# Altium PCB Temp Module B1 Sample.PcbDoc (part 1 of 3)
Units mil, origin at the board's own origin, x right, y up, seen from the top; angles counter-clockwise.
Board outline 5590 x 2795 mil, 4 copper layers (Top Layer, Int1 (GND), Int2 (PWR), Bottom Layer), stack 53.912 mil thick; 273 components, 187 nets, 896 pads, 529 vias.
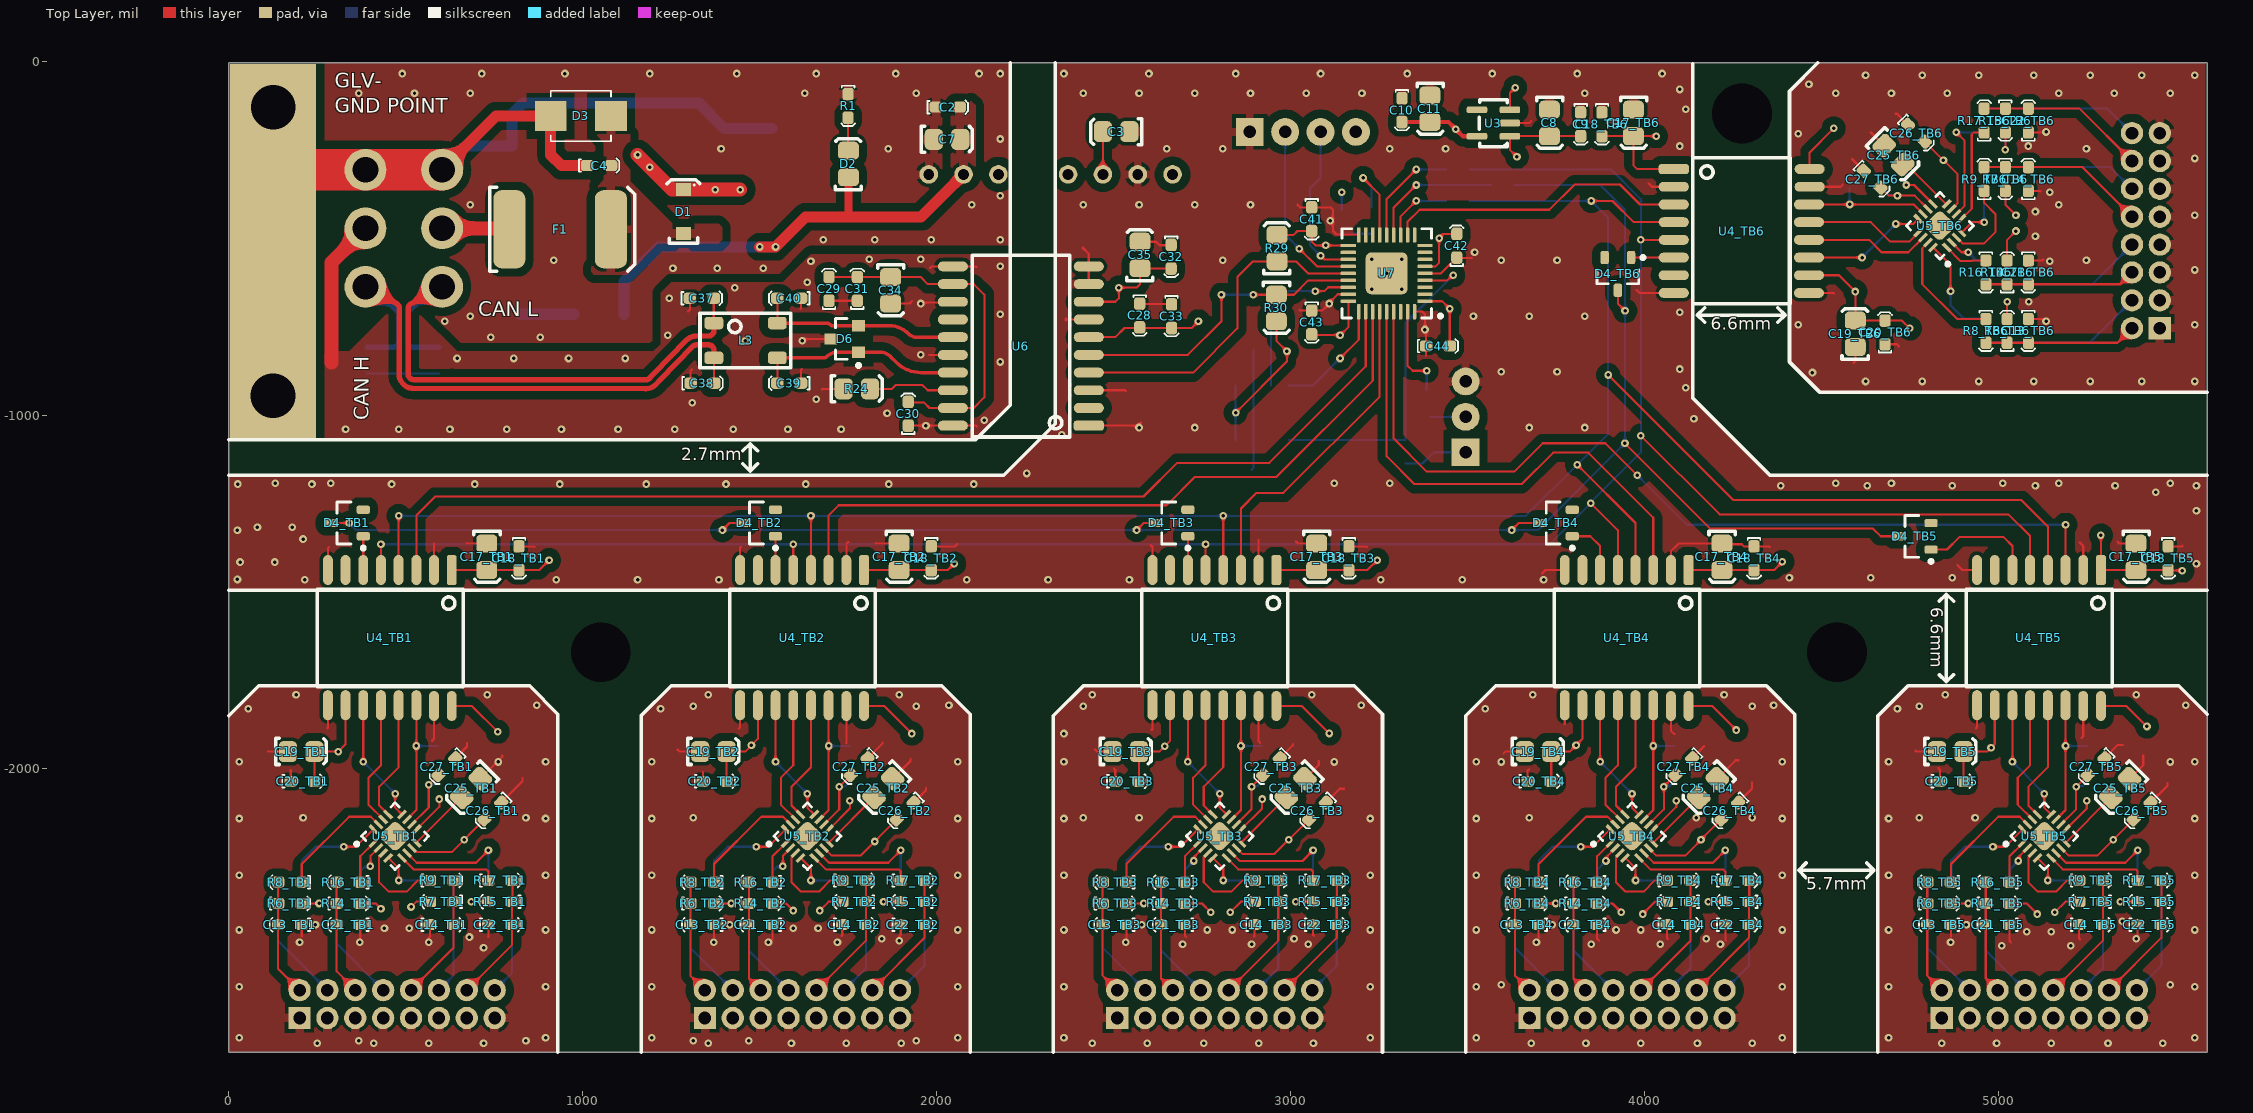
[diagram p0: Top Layer view]
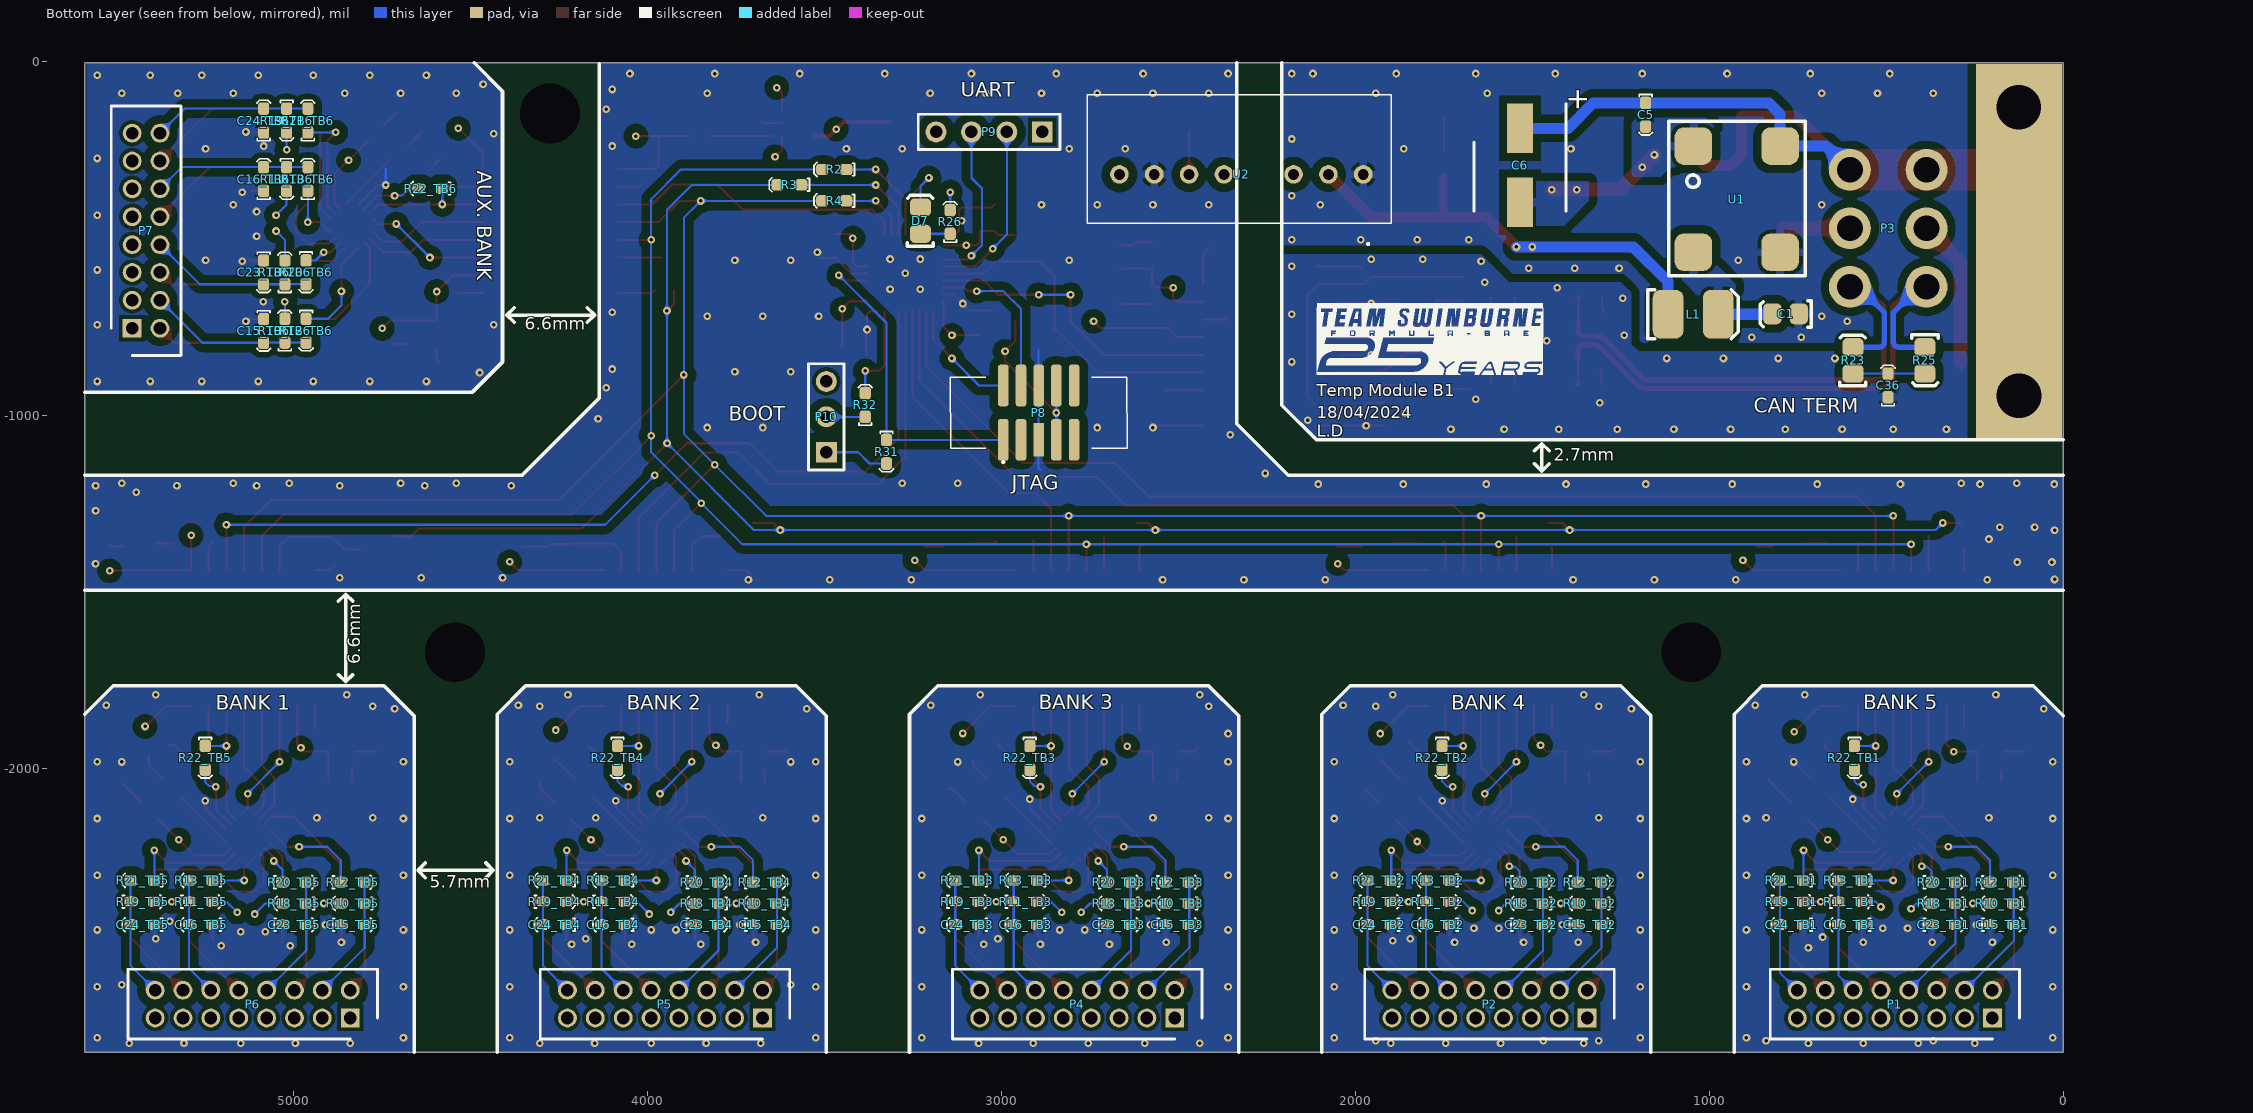
[diagram p1: Bottom Layer view, seen from below]
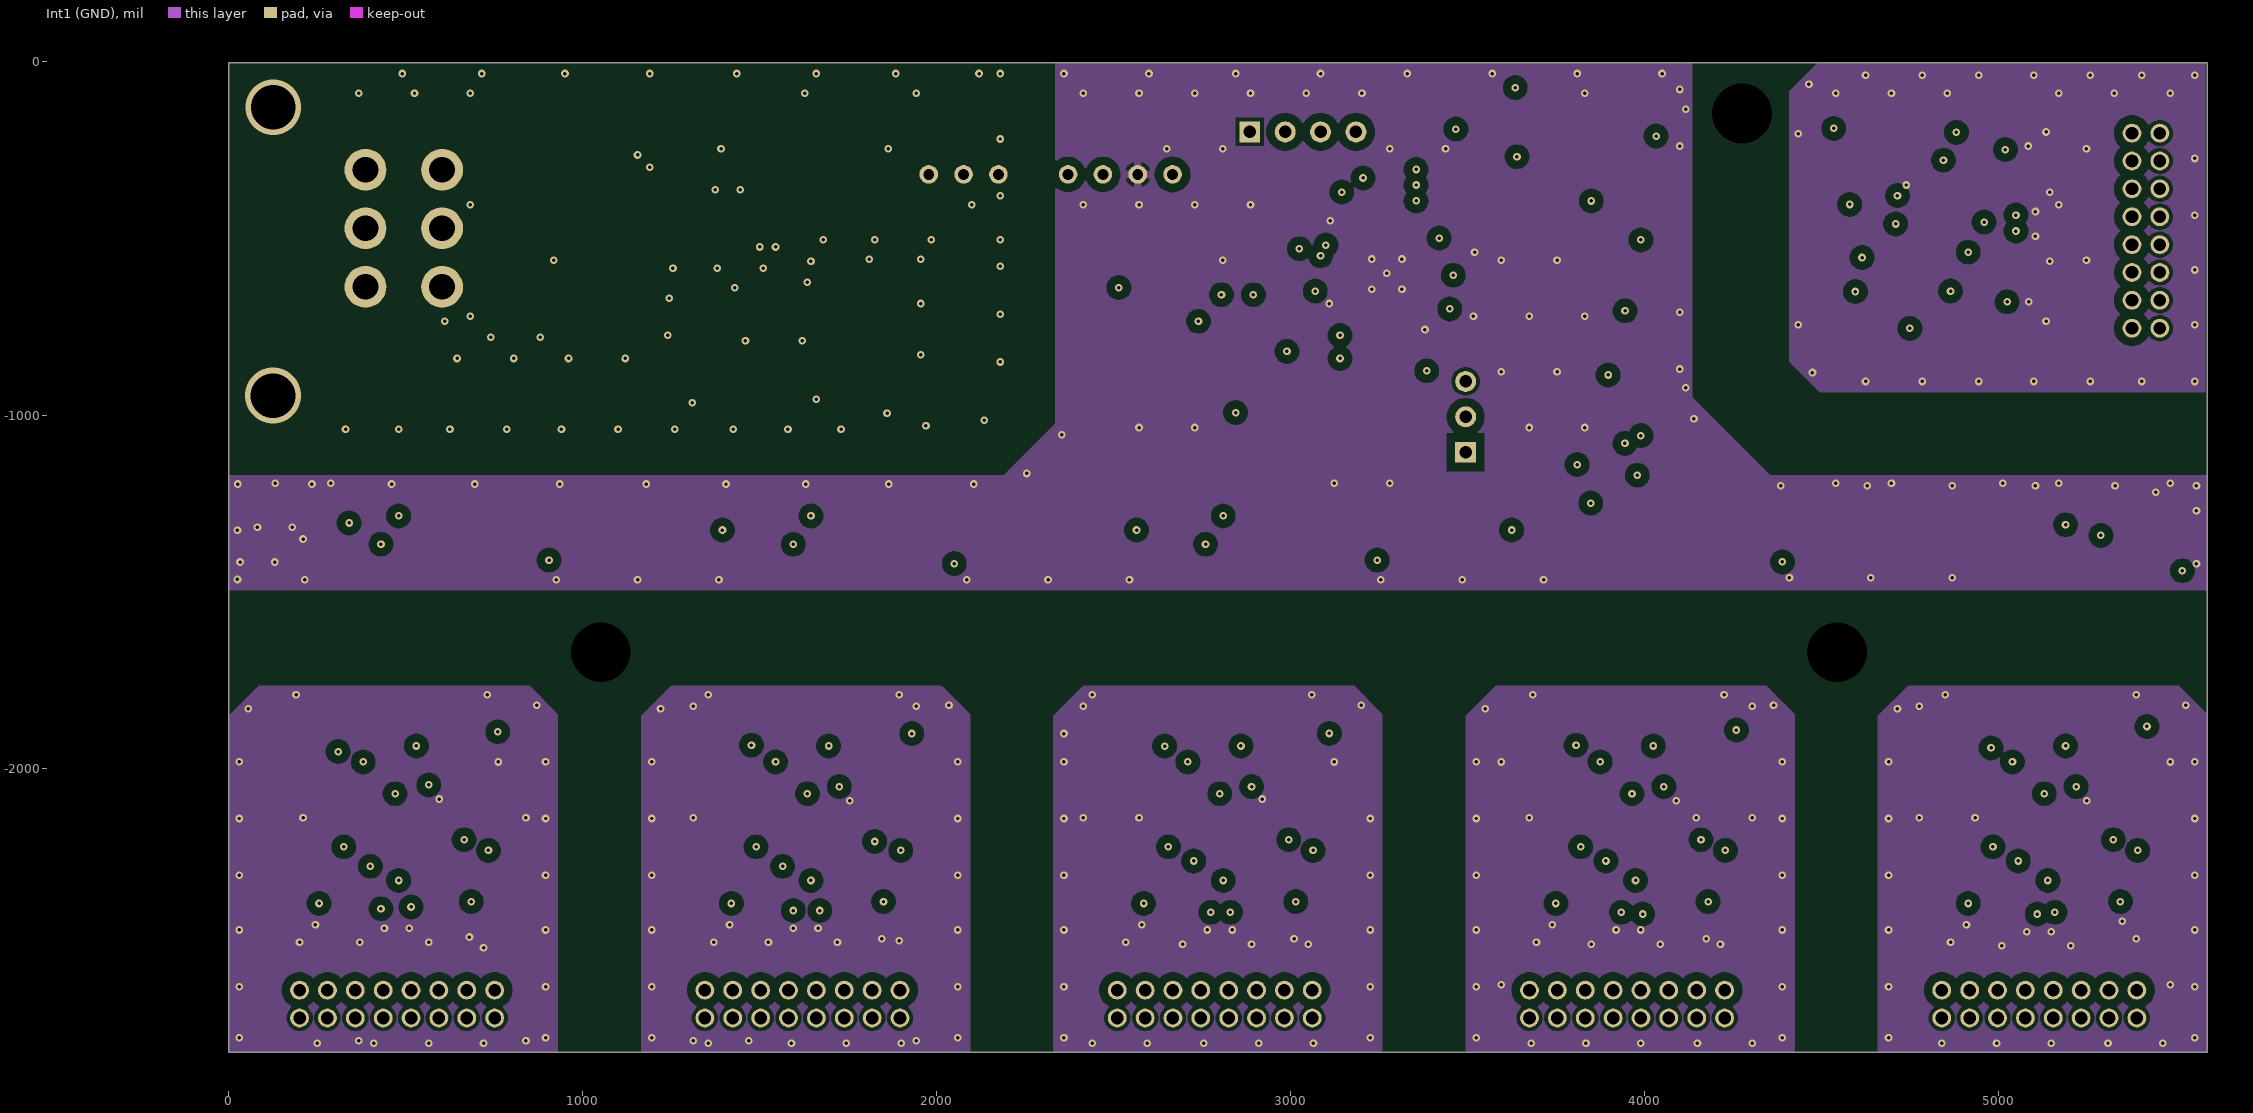
[diagram p2: Int1 (GND)]
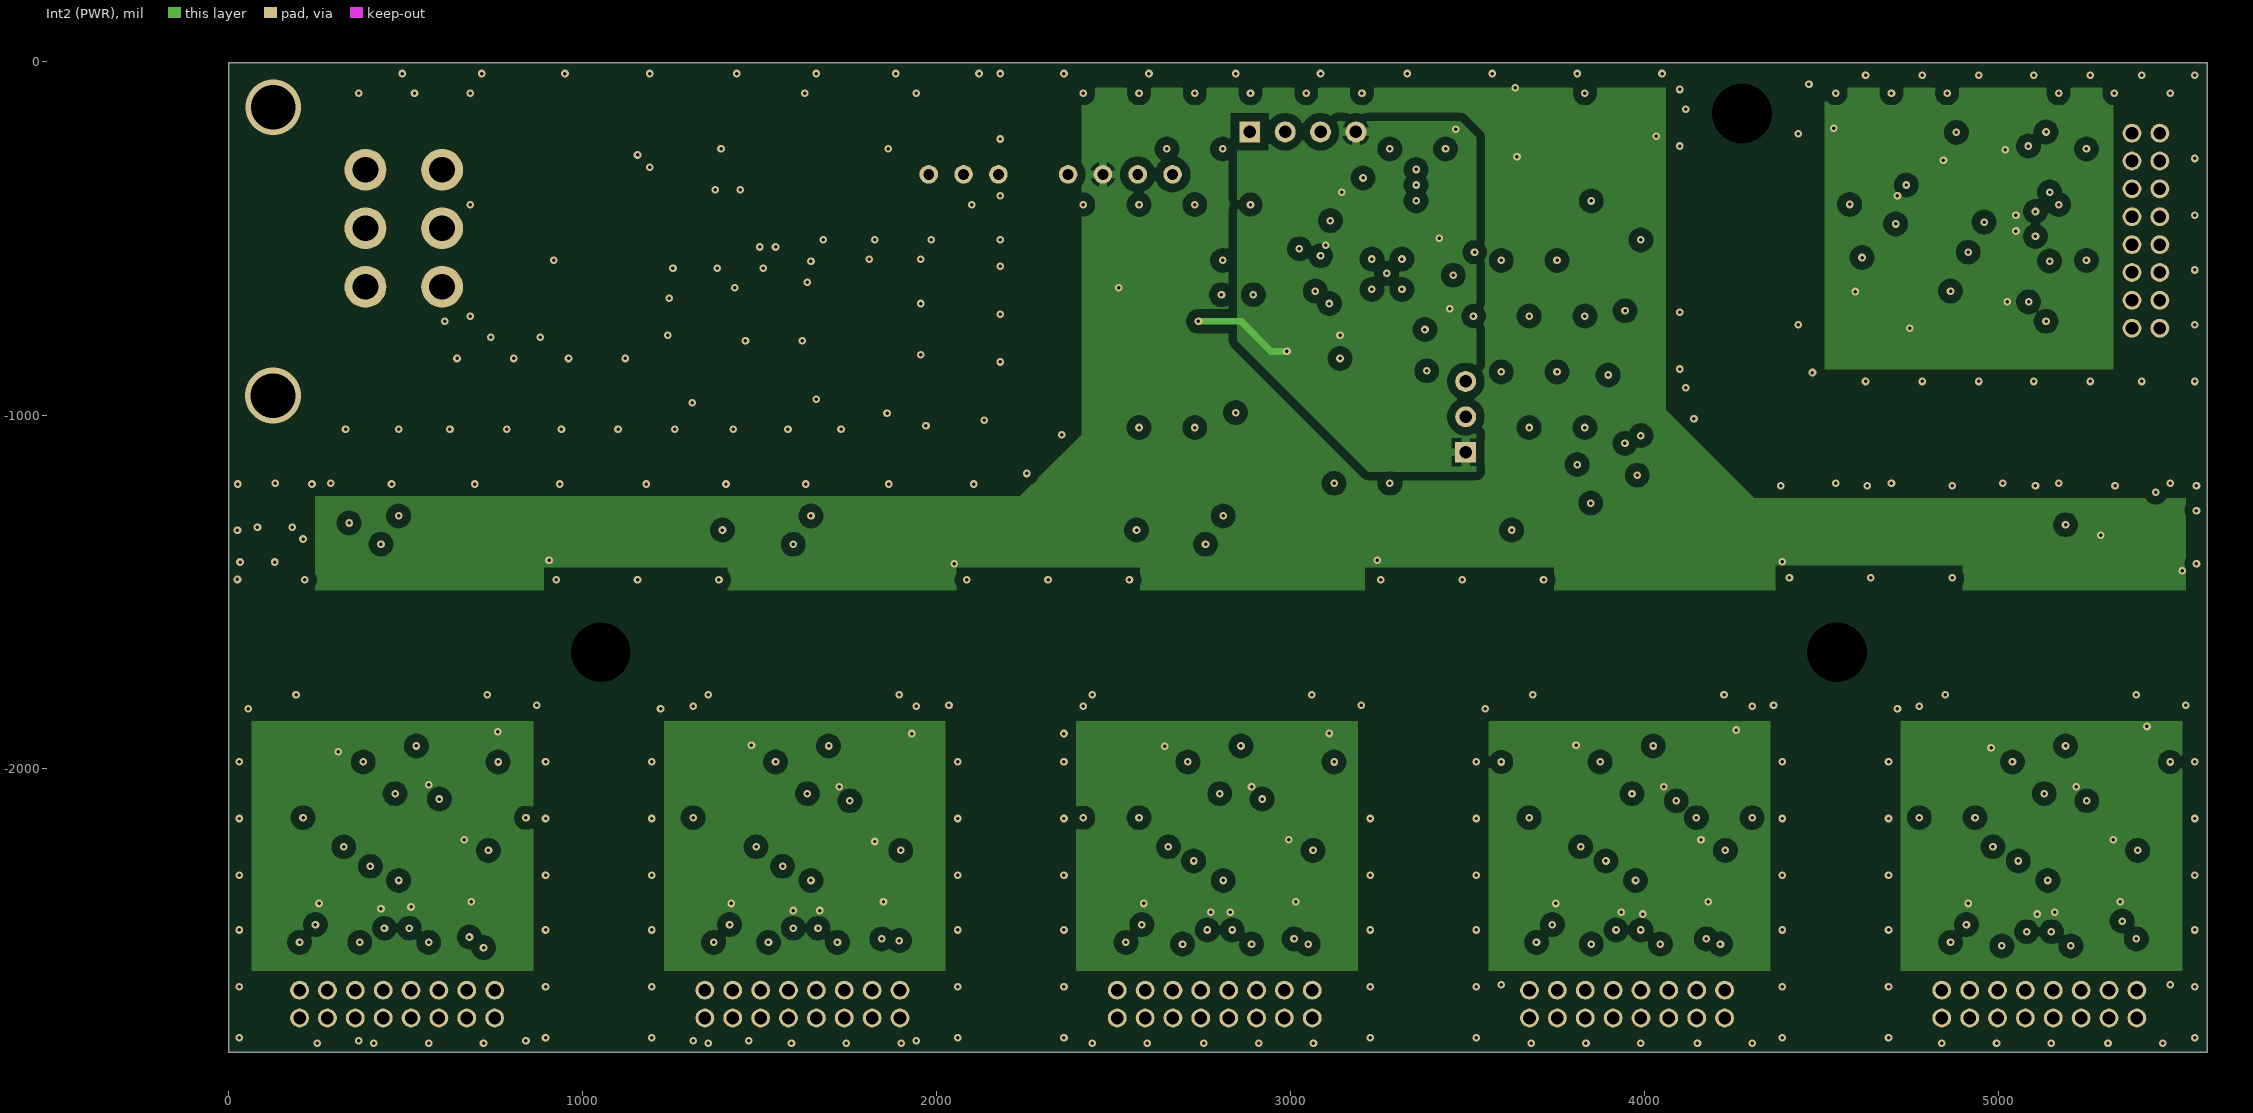
[diagram p3: Int2 (PWR)]

## Layer stack, top to bottom
Top Solder: solder mask 1, SM-001, Dk 4
Top Layer: signal copper 1.378
Dielectric 1: prepreg 5.1, PP-017, Dk 4.3
Dielectric 2: prepreg 5.1, PP-017, Dk 4.3
Int1 (GND): signal copper 1.378
Dielectric 3: core 28, Core-039, Dk 4.8
Int2 (PWR): signal copper 1.378
Dielectric 4: prepreg 5.1, PP-017, Dk 4.3
Dielectric 5: prepreg 5.1, PP-017, Dk 4.3
Bottom Layer: signal copper 1.378
Bottom Solder: solder mask 1, SM-001, Dk 4

## Board outline
0,-2800 5590,-2800 5590,-5 0,-5 0,-2775

## Design rules (kind name [scope] priority, off if disabled: settings)
Clearance [All] p1: gap=10 ignorepadtopadclearanceinfootprint=FALSE except(0: Arc-Hole Track-Hole SMDPad-Hole THPad-Hole Via-Hole Fill-Hole Poly-Hole Region-Hole Text-Hole; 3.94: THPad-THPad; 6: Arc-SMDPad Track-SMDPad SMDPad-SMDPad; 7.87: Arc-THPad Track-THPad SMDPad-THPad THPad-Via; 8: Arc-Arc Arc-Track Arc-Region Track-Track Track-Region SMDPad-Region THPad-Region Via-Region Fill-Region Poly-Region Region-Region; 23.62: Arc-Poly Track-Poly SMDPad-Poly THPad-Poly Via-Poly Fill-Poly Poly-Poly)
DiffPairsRouting [All] p1: maxlimit=10 minlimit=10 mostfreqgap=10 toplayer_minwidth=15 toplayer_maxwidth=15 toplayer_prefwidth=15 midlayer1_minwidth=15 midlayer1_maxwidth=15 midlayer1_prefwidth=15 midlayer2_minwidth=15 midlayer2_maxwidth=15 midlayer2_prefwidth=15 bottomlayer_minwidth=15 bottomlayer_maxwidth=15 bottomlayer_prefwidth=15 maxuncoupledlength=500
Height [All] p1: minheight=0 maxheight=1968.5 prefheight=500
HoleSize [All] p1: absolutevalues=TRUE maxlimit=393.7 minlimit=1 maxpercent=80.000 minpercent=20.000
MinimumSolderMaskSliver [All] p1: minsoldermaskwidth=0
PlaneClearance [All] p1: clearance=15.75
PlaneConnect [All] p1: pad.planeconnectstyle=Relief pad.reliefexpansion=20 pad.reliefentries=4 pad.reliefconductorwidth=31.5 pad.reliefairgap=10 via.planeconnectstyle=Direct via.reliefexpansion=20 via.reliefentries=4 via.reliefconductorwidth=31.5 via.reliefairgap=10
PolygonConnect [All] p1: thpad.connectstyle=Relief thpad.reliefconductorwidth=23.62 thpad.reliefentries=4 thpad.polygonreliefangle="90 Angle" thpad.airgapwidth=10 smdpad.connectstyle=Relief smdpad.reliefconductorwidth=23.62 smdpad.reliefentries=4 smdpad.polygonreliefangle="90 Angle" smdpad.airgapwidth=10 via.connectstyle=Direct via.reliefconductorwidth=23.62 via.reliefentries=4 via.polygonreliefangle="90 Angle" via.airgapwidth=10
RoutingVias [All] p1: holewidth=9.84 width=19.68 viastyle="Through Hole" minholewidth=8 minwidth=10 maxholewidth=28 maxwidth=50
SilkToSilkClearance [All] p1: silktosilkclearance=0
SilkToSolderMaskClearance [IsPad] p1: minsilkscreentomaskgap=0 clearancetoexposedcopper=TRUE
SolderMaskExpansion [All] p1: expansion=2 istentingtop=FALSE
Width [All] p1: maxlimit=118.11 minlimit=5 preferedwidth=19.68 toplayer_prefwidth=10 bottomlayer_prefwidth=10 minimp=50.000000 maximp=50.000000 favimp=50.000000
22 further rules are at their usual default settings.

## Classes and differential pairs
channel class "Temp Bank": TB1 TB2 TB3 TB4 TB5 TB6
component class U_Microcontroller: C41 C42 C43 C44 D7 P8 P9 P10 R2 R3 R4 R26 R29 R30 R31 R32 U7
component class U_CAN: C28 C29 C30 C31 C32 C33 C34 C35 C36 C37 C38 C39 C40 D6 L3 R23 R24 R25 RS1 U4 U6
component class "Top Level": P1 P2 P3 P4 P5 P6 P7
component class TB6: C13_TB6 C14_TB6 C15_TB6 C16_TB6 C17_TB6 C18_TB6 C19_TB6 C20_TB6 C21_TB6 C22_TB6 C23_TB6 C24_TB6 C25_TB6 C26_TB6 C27_TB6 D4_TB6 R6_TB6 R7_TB6 R8_TB6 R9_TB6 R10_TB6 R11_TB6 R12_TB6 R13_TB6 R14_TB6 R15_TB6 R16_TB6 R17_TB6 R18_TB6 R19_TB6 R20_TB6 R21_TB6 R22_TB6 U4_TB6 U5_TB6
component class TB5: C13_TB5 C14_TB5 C15_TB5 C16_TB5 C17_TB5 C18_TB5 C19_TB5 C20_TB5 C21_TB5 C22_TB5 C23_TB5 C24_TB5 C25_TB5 C26_TB5 C27_TB5 D4_TB5 R6_TB5 R7_TB5 R8_TB5 R9_TB5 R10_TB5 R11_TB5 R12_TB5 R13_TB5 R14_TB5 R15_TB5 R16_TB5 R17_TB5 R18_TB5 R19_TB5 R20_TB5 R21_TB5 R22_TB5 U4_TB5 U5_TB5
component class TB4: C13_TB4 C14_TB4 C15_TB4 C16_TB4 C17_TB4 C18_TB4 C19_TB4 C20_TB4 C21_TB4 C22_TB4 C23_TB4 C24_TB4 C25_TB4 C26_TB4 C27_TB4 D4_TB4 R6_TB4 R7_TB4 R8_TB4 R9_TB4 R10_TB4 R11_TB4 R12_TB4 R13_TB4 R14_TB4 R15_TB4 R16_TB4 R17_TB4 R18_TB4 R19_TB4 R20_TB4 R21_TB4 R22_TB4 U4_TB4 U5_TB4
component class TB3: C13_TB3 C14_TB3 C15_TB3 C16_TB3 C17_TB3 C18_TB3 C19_TB3 C20_TB3 C21_TB3 C22_TB3 C23_TB3 C24_TB3 C25_TB3 C26_TB3 C27_TB3 D4_TB3 R6_TB3 R7_TB3 R8_TB3 R9_TB3 R10_TB3 R11_TB3 R12_TB3 R13_TB3 R14_TB3 R15_TB3 R16_TB3 R17_TB3 R18_TB3 R19_TB3 R20_TB3 R21_TB3 R22_TB3 U4_TB3 U5_TB3
component class TB2: C13_TB2 C14_TB2 C15_TB2 C16_TB2 C17_TB2 C18_TB2 C19_TB2 C20_TB2 C21_TB2 C22_TB2 C23_TB2 C24_TB2 C25_TB2 C26_TB2 C27_TB2 D4_TB2 R6_TB2 R7_TB2 R8_TB2 R9_TB2 R10_TB2 R11_TB2 R12_TB2 R13_TB2 R14_TB2 R15_TB2 R16_TB2 R17_TB2 R18_TB2 R19_TB2 R20_TB2 R21_TB2 R22_TB2 U4_TB2 U5_TB2
component class TB1: C13_TB1 C14_TB1 C15_TB1 C16_TB1 C17_TB1 C18_TB1 C19_TB1 C20_TB1 C21_TB1 C22_TB1 C23_TB1 C24_TB1 C25_TB1 C26_TB1 C27_TB1 D4_TB1 R6_TB1 R7_TB1 R8_TB1 R9_TB1 R10_TB1 R11_TB1 R12_TB1 R13_TB1 R14_TB1 R15_TB1 R16_TB1 R17_TB1 R18_TB1 R19_TB1 R20_TB1 R21_TB1 R22_TB1 U4_TB1 U5_TB1
component class "U_Power Supply": C1 C2 C3 C4 C5 C6 C7 C8 C9 C10 C11 D1 D2 D3 F1 L1 R1 U1 U2 U3
differential pair CAN: +CAN_P -CAN_N
